# Allegro board SG2042_EVB_V2_0.brd (continued)
## Routing (per net, layer and track width the routed paths; a pad name or vN(x,y) marks a point on that pad's centre or on a via; arc(x,y) is an arc through that point) (continued)
171.11,181.71 ; 61.73,266.52 J4.22 62.39,267.19 ; J4.13 61.45,274.18 ; J4.13 60.79,273.51 ; J4.13 60.79,274.84 ; J4.13 60.13,274.18 ; 60.79,239.51 J4.53 60.13,240.18 ; v1(197.89,118.59) C6234.1 C6233.1 v1(198.75,118.59) ; D581.1 v1(233.65,164.19) ; 52.99,260.76 J3.28 ; J3.28 53.65,261.43 ; J3.28 52.33,261.43 ; J3.28 52.99,262.09 ; J2.33 167.31,257.84 ; J2.33 167.31,256.51 ; J2.33 167.97,257.18 ; Q2032.2 208.54,15.59 ; Q2032.2 v1(208.54,14.05) ; Q2032.2 209.1,14.9 ; Q2032.2 207.98,14.9 ; 175.9,106.81 C6192.2 ; C6192.2 v1(175.29,107.24) ; C6192.2 175.9,107.67 ; R680.1 v1(109.5,151) ; v1(155.09,38.19) J2030.27 v1(152.83,38.19) ; v1(18.59,282.07) C532.1 ; C532.1 C531.1 ; 118.19,296.42 C3446.1 ; C3446.1 117.75,296.85 ; C3446.1 118.62,296.85 ; 52.99,199.56 J3.94 53.65,200.23 ; C6236.2 v1(33.07,189.46) ; C6236.2 32.46,189.89 ; C6236.2 32.46,189.03 ; C5869.2 v1(165.1,35.79) ; C5869.2 164.49,35.36 ; C5869.2 164.49,36.22 ; R12874.2 v1(38.13,187.22) ; J1.31 176.71,259.54 ; J1.31 176.71,258.21 ; J1.31 177.37,258.88 ; J1.31 176.05,258.88 ; J3.125 51.39,174.54 ; J3.125 50.73,173.88 ; J3.125 51.39,173.21 ; J3.125 52.05,173.88 ; 55.19,278.61 J3.151 ; J3.151 55.85,279.28 ; J3.151 55.19,279.94 ; J3.151 54.53,279.28 ; R2099.2 v1(125.6,150.85) ; J1.154 182.11,277.39 ; J1.154 182.11,276.06 ; J1.154 181.45,276.73 ; J1.154 182.77,276.73 ; 217.47,125.09 U12.11 ; U12.11 v1(217.83,126.26) ; U12.11 217.83,124.09 ; 176.71,275.21 J1.11 ; J1.11 176.05,275.87 ; J1.11 176.71,276.54 ; J1.11 177.37,275.87 ; D574.1 18.97,196.78 ; D574.1 v1(18.14,196.78) ; D574.1 18.64,197.11 ; 183.95,152.5 C4.2 184.38,152.93 ; 165.56,108.92 C6229.2 ; C6229.2 v1(165.99,109.52) ; C6229.2 166.42,108.92 ; 177.81,199.72 J1.94 178.84,199.7 ; C3420.1 98.15,296.85 ; C3420.1 97.28,296.85 ; C3420.1 97.71,296.42 ; 64.03,280.42 J4.149 65.13,280.44 ; C20.2 184.38,283.34 ; C20.2 v1(183.95,282.73) ; C20.2 183.51,283.34 ; 151.26,47.37 151.69,47.37 ; 151.26,47.37 150.82,47.37 ; 151.26,47.37 v1(151.26,47.98) ; J4.120 63.05,178.13 ; J4.120 62.39,177.46 ; J4.120 61.73,178.13 ; J4.120 62.39,178.79 ; C6117.2 v1(187.66,175.03) ; C6117.2 188.26,175.46 ; C6117.2 188.26,174.6 ; v1(206.91,296.21) C3376.2 R2551.1 ; 171.11,266.71 J2.165 ; J2.165 171.11,268.04 ; J2.165 170.45,267.38 ; J2.165 171.77,267.38 ; 62.39,179.16 J4.118 ; J4.118 61.73,179.83 ; J4.118 62.39,180.49 ; J4.118 63.05,179.83 ; 55.19,265.01 J3.167 ; J3.167 55.85,265.68 ; J3.167 55.19,266.34 ; J3.167 54.53,265.68 ; v1(155.09,45.69) J2030.57 v1(152.83,45.69) ; 179.3,78.51 C6223.2 ; C6223.2 179.3,79.38 ; C6223.2 v1(178.69,78.94) ; v1(23.34,176.03) D610.1 24.25,176.03 ; 224.89,176.1 C3267.2 v1(224.46,175.49) ; v1(101.04,301.24) C3422.1 100.9,300.49 U3263.29 ; J1.53 176.71,240.84 ; J1.53 176.05,240.18 ; J1.53 176.71,239.51 ; J1.53 177.37,240.18 ; 172.05,237.63 J2.200 ; J2.200 172.71,238.29 ; J2.200 173.37,237.63 ; R2100.2 v1(227.86,254.74) ; R12882.1 v1(58.85,68.15) ; R12882.1 58.85,67.11 ; R12882.1 58.42,67.54 ; 56.79,191.06 J3.248 ; J3.248 56.13,191.73 ; J3.248 56.79,192.39 ; J3.248 57.45,191.73 ; 88.08,297.02 U3262.4 89.24,297.02 ; 60.79,275.21 J4.11 ; J4.11 60.79,276.54 ; J4.11 60.13,275.87 ; J4.11 61.45,275.87 ; C3323.2 R490.2 184.81,279.81 ; C3323.2 183.49,280.26 ; C3323.2 v1(183.95,279.65) ; 28.24,272.24 R58.1 v1(27.18,272.24) ; 60.13,277.58 J4.9 60.79,276.91 ; v1(109.27,111.99) 109.38,112.1 U17.13 ; C5837.2 v1(218.14,77.8) ; C5837.2 217.65,77.19 ; v1(216.46,198.75) U3272.1 ; R87.2 v1(27.91,248.49) ; J1.169 181.17,263.98 ; J1.169 179.85,263.98 ; J1.169 180.51,264.64 ; J1.169 180.51,263.31 ; 50.73,189.18 J3.107 ; J3.107 52.05,189.18 ; J3.107 51.39,188.51 ; J3.107 51.39,189.84 ; C3295.2 51.79,75.62 ; C3295.2 v1(51.18,75.18) ; C3295.2 51.79,74.75 ; U2.H10 v1(217.2,277.39) ; U3272.5 v1(216.46,200.75) 217.28,201.57 R12915.1 ; D540.1 18.97,214.66 ; D540.1 18.64,214.99 ; D540.1 v1(18.14,214.66) ; 50.73,192.58 J3.103 ; J3.103 51.39,191.91 ; J3.103 52.05,192.58 ; J3.103 51.39,193.24 ; 172.05,254.63 J2.180 ; J2.180 173.37,254.63 ; J2.180 172.71,253.96 ; J2.180 172.71,255.29 ; J1.123 177.37,175.58 ; J1.123 176.71,174.91 ; J1.123 176.71,176.24 ; J1.123 176.05,175.58 ; J3.120 53.65,178.13 ; J3.120 52.99,177.46 ; J3.120 52.99,178.79 ; J3.120 52.33,178.13 ; J1.96 178.97,198.53 ; J1.96 178.31,199.19 ; J1.96 177.65,198.53 ; J1.96 178.31,197.86 ; 23.29,205.26 R12801.2 ; R12801.2 22.86,205.69 ; R12801.2 v1(23.29,206.3) ; 174.7,282.9 C40.2 174.27,283.34 ; C5763.2 51.79,55.3 ; C5763.2 51.79,54.43 ; C5763.2 v1(51.18,54.86) ; 176.71,251.41 J1.39 ; J1.39 176.71,252.74 ; J1.39 177.37,252.08 ; J1.39 176.05,252.08 ; Q2024.2 v1(129.6,14.22) ; Q2024.2 130.16,13.35 ; Q2024.2 129.6,12.67 ; Q2024.2 129.04,13.35 ; 178.31,265.86 J1.22 ; J1.22 177.65,266.52 ; J1.22 178.31,267.19 ; J1.22 178.97,266.52 ; 60.13,236.77 J4.57 ; J4.57 61.45,236.77 ; J4.57 60.79,237.44 ; v1(53.49,73.71) C3302.2 C3303.2 v1(53.49,75.79) ; 55.19,280.31 J3.149 ; J3.149 55.85,280.98 ; J3.149 54.53,280.98 ; 61.73,242.73 J4.50 ; J4.50 63.05,242.73 ; J4.50 62.39,242.06 ; R12669.1 v1(177.7,66.37) ; v1(53.49,116.94) C3362.2 C1738.2 ; C3284.1 225.17,106.98 ; C3284.1 v1(224.74,106.38) ; C3284.1 224.31,106.98 ; C3282.1 68.91,149.35 ; C3282.1 68.05,149.35 ; C3282.1 v1(68.48,148.74) ; R12490.1 224.46,147.52 ; R12490.1 v1(225.07,147.09) ; R12490.1 224.03,147.09 ; C6011.1 228.8,94.72 ; C6011.1 227.94,94.72 ; v1(227.28,228.93) C3231.1 227.2,229.62 U2004.2 ; C6002.1 v1(112.6,71.25) ; R12908.1 v1(18.82,153.52) ; U3252.3 v1(212.03,73.69) ; 61.37,87.05 R288.2 ; R288.2 61.37,87.95 v1(60.82,88.49) ; R288.2 61.8,87.48 ; 180.51,176.61 J1.265 ; J1.265 180.51,177.94 ; J1.265 179.85,177.27 ; J1.265 181.17,177.27 ; 65.53,252.93 J4.182 ; J4.182 66.19,252.26 ; J4.182 66.19,253.59 ; 168.91,267.56 J2.20 169.57,268.23 ; 56.79,253.96 J3.180 ; J3.180 57.45,254.63 ; J3.180 56.79,255.29 ; J3.180 56.13,254.63 ; R119.1 v1(40.41,277.8) ; 55.5,47.22 v1(55.5,47.83) ; 60.13,173.88 J4.125 ; J4.125 60.79,173.21 ; J4.125 60.79,174.54 ; J4.125 61.45,173.88 ; C3419.1 v1(105.26,301.07) ; C3419.1 105.71,300.46 ; C3419.1 v1(104.65,300.46) ; 40.06,226.9 C3151.2 40.92,226.9 ; R12843.2 197.49,175.77 R12844.1 v1(198.12,175.74) ; R12594.1 v1(29.41,145.41) ; 171.11,184.74 J2.257 171.77,184.08 ; 48.51,54.43 C5754.2 ; C5754.2 v1(49.12,54.86) ; C5754.2 48.51,55.3 ; R121.1 v1(43.61,277.8) ; 123.79,296.52 U3265.20 ; U3265.20 124.95,296.52 ; U3265.20 124.37,296.83 ; v1(19.46,282.07) C531.1 ; C531.1 19.91,281.46 ; U31.3 v1(225.27,256.4) ; R12879.1 v1(61.37,108.79) ; R12879.1 61.37,107.75 ; R12879.1 61.8,108.18 ; 168.91,243.39 J2.50 169.57,242.73 ; J3.265 55.85,177.27 ; J3.265 55.19,177.94 ; J3.265 55.19,176.61 ; J3.265 54.53,177.27 ; 164.49,110.67 R12994.1 ; R12994.1 v1(164.49,111.71) ; R12994.1 164.06,111.1 ; 64.59,181.71 J4.259 63.93,182.38 ; 178.82,75.03 C5993.2 178.38,74.6 ; 170.45,243.58 J2.193 171.11,242.91 ; C6148.2 v1(39.37,175.03) ; C6148.2 39.98,174.6 ; C6148.2 39.98,175.46 ; C3372.1 v1(204.88,297.89) ; U3266.17 135.18,295.02 ; 63.05,184.93 J4.112 61.73,184.93 ; J1.248 182.77,191.73 ; J1.248 181.45,191.73 ; J1.248 182.11,191.06 ; J1.248 182.11,192.39 ; C6042.2 20.19,200.91 ; C6042.2 19.33,200.91 ; C6042.2 v1(19.76,200.3) ; R677.1 111.93,147.83 v1(112.75,148.65) U60.5 ; v1(228.5,68.65) X5.2 ; 23.29,200.96 R12800.2 ; R12800.2 v1(23.29,202.01) ; R12800.2 22.86,201.4 ; 105.91,144.05 U3268.4 107.07,144.05 ; 209.6,250.06 C3146.1 v1(210.21,250.49) ; D586.1 v1(233.65,155.96) ; 215.54,103.15 R12982.1 ; R12982.1 215.98,103.58 ; R12982.1 v1(216.59,103.15) ; C1671.2 v1(10.52,158.65) ; J4.98 63.05,196.83 ; J4.98 62.39,196.16 ; J4.98 61.73,196.83 ; 108.55,297.02 U3264.4 109.71,297.02 ; 168.38,182.69 J2.114 169.46,182.68 ; R12857.2 v1(187.63,187.22) ; R126.1 v1(40.41,281.25) ; R297.2 v1(117.22,108.74) ; v1(152.83,44.19) J2030.51 v1(155.09,44.19) ; J2.160 172.71,272.29 ; J2.160 173.37,271.63 ; J2.160 172.71,270.96 ; J2.160 172.05,271.63 ; R12667.1 v1(178.56,66.37) ; C6026.2 v1(190.27,14.94) ; C6026.2 189.81,14.33 ; U13.B1 116.13,173.94 R258.1 v1(115.24,174.55) ; U13.B1 116.29,174.09 ; U13.B1 115.98,173.78 ; v1(100.74,140.61) C3410.1 v1(100.13,140) ; U28.3 v1(127.26,153.44) ; 65.53,258.03 J4.176 ; J4.176 66.19,258.69 ; J4.176 66.19,257.36 ; C2001.2 v1(23.9,62.94) ; C1538.2 v1(42.55,223.85) ; 54.53,182.38 J3.259 ; J3.259 55.19,181.71 ; J3.259 55.19,183.04 ; J3.259 55.85,182.38 ; 56.79,252.26 J3.182 ; J3.182 56.13,252.93 ; J3.182 56.79,253.59 ; J3.182 57.45,252.93 ; C5742.2 53.34,94.64 ; C5742.2 v1(53.8,94.03) ; U3260.4 v1(214.4,149.78) ; U3260.4 215.64,149.29 ; U3260.4 215.64,150.28 ; U3260.4 216.71,149.78 ; C6062.1 v1(215.44,158.72) ; J1.195 181.17,241.88 ; J1.195 179.85,241.88 ; J1.195 180.51,241.21 ; J1.195 180.51,242.54 ; C1738.2 53.04,115.47 ; C1738.2 v1(53.49,114.86) ; C5747.2 48.51,108.61 ; C5747.2 48.51,107.75 ; C5747.2 v1(49.12,108.18) ; 51.39,251.41 J3.39 ; J3.39 52.05,252.08 ; J3.39 51.39,252.74 ; J3.39 50.73,252.08 ; J2.112 169.63,184.93 ; C3326.2 50.01,278.18 ; C3326.2 v1(49.56,277.57) ; C3326.2 R496.2 48.69,277.72 ; C602.1 v1(118.01,170.18) ; U2009.74 132.41,41.14 v1(132.44,41.11) ; 189.74,183.46 C6110.2 190.2,183.01 ; v1(174.09,235.92) C27.2 174.7,236.4 ; 169.57,196.83 J2.98 168.91,197.49 ; C3405.1 v1(206.3,300.23) ; C3405.1 206.78,299.62 ; R76.1 R78.1 ; R76.1 37.44,267.77 ; R78.1 v1(37.59,266.9) ; 49.38,220.37 C56.2 ; C56.2 48.79,220.93 ; C56.2 v1(50.14,220.93) ; U3262.17 94.24,295.02 ; C573.2 v1(27.51,273.1) ; v1(53.8,55.47) C5745.2 ; C5745.2 53.34,54.86 ; U3263.17 104.48,295.02 ; R12910.1 v1(213.82,164.21) ; R125.1 v1(43.61,279.53) ; R12966.2 v1(200.13,101.24) ; C6168.2 v1(197.87,89.69) ; 231.5,264.6 D10.2 232.15,264.6 ; U3278.3 v1(168.04,108.48) ; J1.50 178.97,242.73 ; J1.50 178.31,242.06 ; J1.50 177.65,242.73 ; J1.50 178.31,243.39 ; v1(155.09,35.19) J2030.15 v1(152.83,35.19) ; 51.79,34.11 C5807.2 ; C5807.2 51.79,34.98 ; C5807.2 v1(51.18,34.54) ; R12906.1 229.41,67.29 ; R12906.1 229.41,66.42 ; R12906.1 v1(230.02,66.85) ; C548.2 v1(27.97,262.28) ; R12987.2 v1(177.14,82.65) ; 22.43,279.78 R55.1 ; R55.1 22.86,280.21 ; R55.1 v1(23.47,279.78) ; 171.11,280.31 J2.149 171.77,280.98 ; U3268.29 104.49,140.58 C3413.1 v1(104.34,139.83) ; J4.246 65.43,193.43 ; U808.3 v1(212.48,215.11) ; R2527.2 v1(99.44,114.43) ; 18.64,209.68 D543.1 v1(18.14,210.03) ; 62.39,267.56 J4.20 ; J4.20 61.73,268.23 ; J4.20 63.05,268.23 ; 18.64,215.67 D541.1 v1(18.14,216.02) ; 209.4,65.18 R12672.2 ; R12672.2 209.4,66.04 ; R12672.2 v1(208.79,65.61) ; C5750.2 52.65,108.61 ; C5750.2 v1(52.04,108.18) ; C5750.2 52.65,107.75 ; 170.45,177.27 J2.265 ; J2.265 171.11,177.94 ; J2.265 171.77,177.27 ; J2.265 171.11,176.61 ; C6191.2 v1(201.55,96.42) ; 18.64,197.76 D575.1 v1(18.14,198.11) ; D585.1 v1(233.65,154.32) ; 58.78,198.98 R14.2 ; R14.2 v1(59.39,199.42) ; R14.2 58.34,199.42 ; 182.11,239.99 J1.198 181.45,239.33 ; R12676.1 v1(208.48,76.91) ; R12676.1 208.48,75.87 ; R12676.1 208.05,76.3 ; C5789.2 53.34,34.54 ; C5789.2 v1(53.8,35.15) ; R12875.2 49.23,182.17 ; R12875.2 49.66,181.74 ; C3234.1 v1(222.5,234.26) ; R324.2 v1(228.9,233.02) ; R82.1 v1(37.59,265.18) ; 231.5,275.88 D9.2 232.15,275.88 ; R12887.1 v1(151.26,44.25) ; R12887.1 150.82,44.86 ; R12887.1 151.69,44.86 ; R2551.1 206.73,295.35 ; R2551.1 206.3,294.92 ; C2000.2 v1(23.9,66.7) ; 118.79,295.52 U3265.7 119.95,295.52 ; J3.158 56.79,273.99 ; J3.158 56.13,273.33 ; J3.158 57.45,273.33 ; J3.158 56.79,272.66 ; 62.39,248.86 J4.42 ; J4.42 63.05,249.53 ; J4.42 61.73,249.53 ; J4.42 62.39,250.19 ; C1168.2 123.55,158.47 ; C1168.2 v1(123.11,157.86) ; C1168.2 122.68,158.47 ; J2.184 172.71,251.89 ; J2.184 172.71,250.56 ; J2.184 172.05,251.23 ; J2.184 173.37,251.23 ; 62.39,182.56 J4.114 61.73,183.23 ; R12665.1 180.87,68.8 v1(180.05,69.62) U3251.5 ; X6.2 v1(34.77,146.06) ; U2004.1 v1(226.37,228.42) ; C3291.1 v1(68.25,156.39) ; 232.77,167.98 D590.1 v1(233.65,167.98) ; 179.85,165.38 J1.279 180.51,166.04 ; 176.71,168.11 J1.131 ; J1.131 177.37,168.78 ; J1.131 176.05,168.78 ; J1.131 176.71,169.44 ; D584.1 v1(233.65,156.56) ; v1(230.85,71.35) X5.4 v1(231.65,70.5) ; R12993.2 v1(169.7,111.07) ; C6132.1 v1(188.21,193.78) ; U2009.49 129.22,26.95 v1(129.2,26.92) ; 58.34,152.93 C64.2 58.78,152.5 ; v1(201.14,105.64) R12957.1 200.53,105.21 ; R1146.1 216.46,212.5 ; R1146.1 v1(216.03,211.89) ; R1146.1 216.03,212.93 ; C6142.1 v1(38.71,193.78) ; 63.93,279.28 J4.151 64.59,279.94 ; 21.41,200.38 C6043.2 ; C6043.2 22.58,200.38 ; C6043.2 22,200.94 ; C5894.1 v1(21.44,148.26) ; J4.24 63.05,264.83 ; J4.24 62.39,264.16 ; J4.24 61.73,264.83 ; J2.151 171.77,279.28 ; J2.151 170.45,279.28 ; J2.151 171.11,279.94 ; X7.2 v1(228.78,156.52) ; R12564.2 228.27,74.6 ; R12564.2 227.84,74.17 ; R12564.2 v1(227.84,75.21) ; R12827.1 v1(223.42,155.88) ; C5992.2 v1(179.17,68.07) ; R12909.1 v1(18.82,156.03) ; R12909.1 19.86,156.03 ; R12909.1 19.43,156.46 ; C6014.2 v1(226.01,98.5) ; 18.64,218.01 D542.1 v1(18.14,217.66) ; R12870.2 v1(45.44,185.93) ; X6.4 v1(32.12,142.8) ; v1(98.83,111.86) R286.2 R2528.2 ; R1265.1 v1(204.88,263.7) ; 189.43,226.9 C3152.2 190.3,226.9 ; R123.1 v1(43.61,282.98) ; R12722.2 v1(132.59,74.75) ; v1(152.83,36.69) J2030.21 v1(155.09,36.69) ; J1.35 177.37,255.47 ; J1.35 176.71,256.14 ; J1.35 176.71,254.81 ; J1.35 176.05,255.47 ; R127.1 v1(40.41,279.53) ; C5863.2 v1(236.19,98.5) ; v1(118.25,44.35) 118.22,44.32 U2009.99 ; R12524.2 v1(132.59,71.91) ; 58.42,128.12 R291.2 ; R291.2 58.85,128.59 v1(59.4,129.13) ; R291.2 58.85,127.69 ; R2101.2 v1(227.86,261.37) ; R2098.2 v1(119.41,156.31) ; 217.32,234.47 C1186.2 ; C1186.2 218.19,234.47 ; C1186.2 v1(217.75,233.86) ; C5921.1 v1(30.89,146.84) ; R3.2 v1(185.34,162.46) ; U2009.19 115.26,32.64 v1(115.01,32.38) 115.26,32.14 U2009.20 ; 135.18,296.52 U3266.20 134.61,296.83 ; 144.84,296.83 U3267.20 145.42,296.52 ; C5998.2 v1(209.98,74.73) ; C5998.2 209.55,74.12 ; C5998.2 210.41,74.12 ; C604.1 v1(120.04,170.18) ; 211.48,199.09 C6167.2 211.05,199.52 ; C1744.2 51.79,116.76 ; C1744.2 v1(51.18,116.33) ; C1744.2 51.79,115.9 ; R12911.1 v1(213.82,166.73) ; R12911.1 213.21,167.16 ; R12911.1 212.78,166.73 ; R89.2 v1(4.09,268.5) ; 224.58,79.2 U3238.4 223.44,78.64 ; R449.2 C1421.1 v1(190.22,223.85) ; C3232.1 v1(223.52,230.45) ; R12523.2 v1(130.51,71.91) ; R4.2 v1(185.34,163.32) ; v1(12.67,161.49) U805.3 15.5,161.49 v1(16,160.99) ; D582.1 v1(233.65,162.55) ; 41.93,139.45 Q2036.2 42.48,140.14 ; v1(178.05,69.62) U3251.1 ; U3262.20 93.66,296.83 ; C6094.2 v1(224.89,153.54) ; R2585.2 v1(121.62,86.11) ; 231.5,273.79 D11.2 232.15,273.79 ; X7.4 v1(226.12,153.26) ; U3234.3 v1(221.84,143.54) ; U3267.17 145.42,295.02 ; R682.1 v1(109.5,150.14) ; D588.1 v1(233.65,161.96) ; C3281.1 v1(43.94,254.99) ; R12951.2 v1(200.13,96.85) ; D611.1 v1(23.34,174.39) ; R12876.2 v1(48.13,180.06) ; C1422.2 v1(191.92,223.85) ; R18.2 v1(148.82,287.55) ; C6095.1 v1(224.89,157.3) ; D587.1 v1(233.65,160.32) ; R12918.1 v1(218.26,204.72) ; R12526.2 v1(161.14,85.93) ; U2027.3 v1(124.21,84.45) ; R133.1 v1(230.1,278.97) ; U17.20 v1(105.88,113.46)
  TOP w0.305: U1.F15 U1.E15 U1.D15
  TOP w0.381: U1.P3 v1(90.75,236.05) ; v1(48.6,38.65) J2036.B4 v1(48.6,35.58) ; U1.J46 v1(134.75,241.05) ; v1(110.4,119.98) 110.6,119.77 J1104.B64 110.6,117.47 v1(110.4,117.26) ; U1.A49 v1(137.25,248.98) ; U3273.R15 v1(185.09,103.63) ; U1.U11 v1(98.75,233.05) ; U1.BH3 v1(90.75,201.05) ; U1.AK48 v1(136.75,219.05) ; v1(119.48,261.54) X4.2 v1(120.46,260.48) ; U1.AP7 v1(94.75,215.05) ; v1(48.6,46.3) J2036.A4 v1(48.6,43.23) ; v1(48.6,66.62) J2034.A4 v1(48.6,63.55) ; U3273.M15 v1(185.09,101.23) U3273.N15 ; U1.AK12 v1(99.75,219.05) ; U1.M50 v1(138.75,238.05) ; v1(87.4,124.46) 87.6,124.67 J1104.A41 87.6,126.74 v1(87.17,127.18) ; U1.BE13 v1(100.75,204.05) ; U1.C24 v1(111.75,247.05) ; C8.2 v1(183.34,233.38) ; U1.V3 v1(91.75,231.05) U1.V4 ; v1(48.6,99.61) J2033.B4 v1(48.6,96.54) ; v1(91.17,86.54) 91.6,86.1 J2046.A45 91.6,84.03 v1(91.4,83.82) ; U1.R15 v1(102.75,235.05) ; U1.AA46 v1(134.75,229.05) ; U3235.N9 v1(147.66,85.81) ; U1.BK11 v1(98.75,199.05) ; U1.AL54 v1(142.75,218.05) ; U1.AY55 v1(143.75,209.05) ; U1.V50 v1(138.75,232.05) ; U3273.J14 v1(185.89,98.05) ; U1.J14 v1(101.75,241.05) ; U1.AN50 v1(138.75,216.05) ; U1.V47 v1(135.75,232.05) ; U1.AM12 v1(99.75,217.05) ; U3235.L9 v1(149.26,85.81) ; U1.R52 v1(140.75,235.05) ; C13.2 v1(183.34,203.43) ; U1.J13 v1(100.75,241.05) ; U3235.Y25 v1(142.06,72.21) U3235.W25 ; C52.2 v1(50.16,232.56) ; U1.AJ3 v1(90.75,220.05) ; U1.T45 v1(133.75,234.05) ; v1(106.4,117.26) 106.6,117.47 J1104.B60 106.6,119.77 v1(106.4,119.98) ; v1(61.6,104.19) J2033.A15 61.6,106.82 v1(62.03,107.26) ; v1(84.8,83.82) 84.6,84.03 J2046.A38 84.6,86.1 v1(85.03,86.54) ; v1(93.4,117.26) 93.6,117.47 J1104.B47 93.6,119.77 v1(93.4,119.98) ; U1.BH7 v1(94.75,201.05) ; U1.K47 v1(135.75,240.05) ; v1(116.4,124.46) 116.6,124.67 J1104.A70 116.6,126.74 v1(116.17,127.18) ; U1.BN46 v1(134.75,196.05) ; U1.BN1 v1(88.75,196.05) ; U1.AJ9 v1(96.75,220.05) ; v1(67.4,99.61) 67.6,99.4 J2033.B21 67.6,96.75 v1(67.4,96.54) ; U1.BB9 v1(96.75,207.05) ; U1.M56 v1(144.75,238.05) ; v1(70.6,66.62) J2034.A24 v1(70.6,63.55) ; v1(48.6,107.26) J2033.A4 v1(48.6,104.19) ; v1(82.8,119.98) 82.6,119.77 J1104.B36 82.6,117.47 v1(82.8,117.26) ; U1.AJ48 v1(136.75,220.05) ; v1(27.23,276.08) Y1.2 28.29,277.04 ; U3273.AB12 v1(188.28,109.23) ; U1.BN54 v1(142.75,196.05) ; U3273.C23 v1(178.69,93.25) U3273.B23 ; v1(138.75,229.05) U1.AA50 v1(138.75,228.05) ; U3235.L10 v1(149.26,85.01) ; U1.AY45 v1(133.75,209.05) ; U1.B56 v1(144.68,247.55) ; U1.BC42 v1(130.75,206.05) ; v1(64.6,96.54) J2033.B18 v1(64.6,99.61) ; U1.B46 v1(134.75,247.05) ; v1(124.4,124.46) 124.6,124.67 J1104.A78 124.6,126.74 v1(124.17,127.18) ; U1.BG7 v1(94.75,202.05) ; U3235.K11 v1(150.06,84.21) ; 169.44,283 J2.2 168.4,283.01 ; U3273.AB8 v1(191.48,109.23) ; U1.G28 v1(115.75,243.05) ; U1.BT50 v1(138.75,193.05) ; U3235.AE16 v1(137.26,80.21) U3235.AE15 ; C6108.1 v1(195.5,204.01) ; U3235.AA2 v1(141.26,91.41) U3235.Y2 ; U1.K52 v1(140.75,240.05) ; U3273.P12 v1(187.49,102.83) ; v1(98.75,242.05) U1.H10 v1(97.75,242.05) ; U3235.C13 v1(154.86,81.81) ; v1(107.8,117.26) 107.6,117.47 J1104.B61 107.6,119.77 v1(107.8,119.98) ; U3235.N15 v1(147.66,80.21) ; U1.AG46 v1(134.75,223.05) ; U1.BL1 v1(88.75,198.05) ; U1.AN48 v1(136.75,216.05) ; v1(48.6,55.9) J2034.B4 v1(48.6,58.97) ; U1.J7 v1(94.75,241.05) ; U1.N13 v1(100.75,237.05) ; U3235.T16 v1(144.46,79.41) ; v1(92.75,229.05) U1.Y4 v1(91.75,229.05) ; U1.AF14 v1(101.75,224.05) ; v1(131.75,219.05) U1.AK43 U1.AJ42 ; U1.AV43 v1(131.75,211.05) ; U1.K5 v1(92.75,240.05) U1.J4 v1(91.75,241.05) U1.H3 v1(90.75,242.05) U1.G2 ; U1.AN56 v1(144.75,216.05) ; U3235.M14 v1(148.46,81.01) ; v1(85.4,76.62) 85.6,76.83 J2046.B39 85.6,79.13 v1(85.4,79.34) ; U1.AY8 v1(95.75,209.05) ; C1426.2 v1(194.21,220.68) ; U3273.N12 v1(187.49,102.03) ; U3235.H23 v1(150.86,74.61) ; v1(222.3,78.84) 222.33,78.87 ; U1.BD14 v1(101.75,205.05) ; U1.AF3 v1(90.75,223.05) ; U1.AH48 v1(136.75,222.05) ; U1.BA11 v1(98.75,208.05) ; U1.J44 v1(132.75,241.05) ; v1(62.6,35.58) J2036.B16 v1(62.6,38.65) ; U1.K43 v1(131.75,240.05) ; v1(51.6,99.61) J2033.B7 v1(51.6,96.54) ; U1.BJ51 v1(139.75,200.05) ; C6041.2 v1(27.99,202.21) ; U1.AH54 v1(142.75,221.05) ; U3235.AD21 v1(138.86,76.21) ; U3235.AF6 v1(137.26,87.41) ; U1.E20 v1(107.75,245.05) ; U1.BB54 v1(142.75,207.05) ; v1(73.17,86.54) 73.6,86.1 J2046.A27 73.6,84.03 v1(73.4,83.82) ; v1(90.8,117.26) 90.6,117.47 J1104.B44 90.6,119.77 v1(90.8,119.98) ; U1.E41 v1(129.75,245.05) U1.E42 ; v1(68.8,76.62) 68.6,76.83 J2046.B22 68.6,79.13 v1(68.8,79.34) ; U3235.P17 v1(146.06,78.61) ; U1.BH10 v1(97.75,201.05) ; J2.105 168.09,190.88 ; v1(93.03,127.18) 92.6,126.74 J1104.A46 92.6,124.67 v1(92.8,124.46) ; v1(58.6,107.26) J2033.A12 v1(58.6,104.19) ; U3273.AB15 v1(185.09,109.23) ; U1.AB51 v1(139.75,227.05) ; U1.AE4 v1(91.75,224.05) ; U1.AC53 v1(141.75,226.05) ; U1.AM1 v1(88.75,217.05) ; v1(71.03,86.54) 70.6,86.1 J2046.A24 70.6,84.03 v1(70.8,83.82) ; v1(201.8,88.91) X8.4 v1(200.85,89.97) ; U1.AB6 v1(93.75,227.05) ; v1(125.08,260.48) X3.2 v1(124.1,261.54) ; U1.AU5 v1(92.75,212.05) ; U1.G31 v1(119.75,243.05) ; U3235.C23 v1(155.66,73.81) ; U1.AH43 v1(131.75,222.05) ; v1(89.4,117.26) 89.6,117.47 J1104.B43 89.6,119.77 v1(89.4,119.98) ; U3235.P9 v1(146.06,85.81) ; U3235.AB8 v1(139.67,86.61) ; U1.AU42 v1(130.75,212.05) ; U1.AF12 v1(99.75,224.05) ; v1(69.6,104.19) J2033.A23 69.6,106.82 v1(69.17,107.26) ; v1(67.4,76.62) 67.6,76.83 J2046.B21 67.6,79.13 v1(67.4,79.34) ; v1(62.03,46.3) 61.6,45.86 J2036.A15 ; U1.AY14 v1(101.75,209.05) ; v1(73.17,127.18) 73.6,126.74 J1104.A27 73.6,124.67 v1(73.4,124.46) ; Q2035.2 v1(47.23,138.05) ; U1.AM56 v1(144.75,217.05) ; v1(69.4,124.46) 69.6,124.67 J1104.A23 69.6,126.74 v1(69.17,127.18) ; v1(90.8,79.34) 90.6,79.13 J2046.B44 90.6,76.83 v1(90.8,76.62) ; U1.BE48 v1(136.75,204.05) ; U3235.M4 v1(147.66,89.01) ; v1(80.6,83.82) J2046.A34 80.6,86.1 v1(81.03,86.54) ; U3235.M13 v1(148.46,82.61) ; v1(59.6,96.54) J2033.B13 v1(59.6,99.61) ; U3235.AB18 v1(140.46,77.81) ; v1(125.8,124.46) 125.6,124.67 J1104.A79 125.6,126.74 v1(126.03,127.18) ; U1.BJ6 v1(93.75,200.05) ; v1(71.4,76.62) 71.6,76.83 J2046.B25 71.6,79.13 v1(71.4,79.34) ; U1.K12 v1(99.75,240.05) ; U1.AP8 v1(95.75,215.05) ; U3273.R5 v1(193.88,103.63) ; U1.BT56 v1(144.75,193.05) ; U1.AM49 v1(137.75,217.05) ; C76.2 v1(58.01,220.93) ; U1.AC11 v1(98.75,227.05) ; v1(119.8,119.98) 119.6,119.77 J1104.B73 119.6,117.47 v1(119.8,117.26) ; U1.AF41 U1.AE42 v1(129.75,225.05) U1.AD41 ; U3273.P8 v1(191.48,102.83) ; U3273.L9 v1(190.68,99.64) ; U1.BT55 v1(143.75,193.05) ; U3235.T11 v1(144.46,84.21) ; U1.V10 v1(97.75,232.05) ; v1(77.6,63.55) J2034.A31 v1(77.6,66.62) ; U3235.AC10 v1(138.87,85.01) ; U3235.P10 v1(146.06,85.01) ; U1.AP45 v1(133.75,215.05) ; U1.G55 v1(142.75,242.05) U1.H54 v1(141.75,241.05) U1.J53 ; U3235.AF22 v1(136.46,75.41) U3235.AF21 ; v1(75.6,119.98) J1104.B29 v1(75.6,117.26) ; U1.T10 v1(97.75,234.05) ; U3235.P16 v1(146.06,79.41) ; v1(48.6,127.18) J1104.A4 v1(48.6,124.46) ; v1(96.75,243.05) U1.G9 v1(97.75,243.05) ; J4.147 65.35,282.68 ; U1.P14 v1(101.75,236.05) ; U3273.A12 v1(188.28,91.64) ; U1.BM11 v1(98.75,197.05) ; U3235.B16 v1(156.46,80.21) U3235.B15 ; C1533.2 v1(44.07,230.89) ; U3273.P22 v1(179.49,102.83) ; U1.J20 v1(107.75,241.05) ; U1.BK48 v1(136.75,199.05) ; v1(98.4,117.26) 98.6,117.47 J1104.B52 98.6,119.77 v1(98.4,119.98) ; U3235.N4 v1(146.86,89.01) ; U3273.L14 v1(185.89,99.64) ; C6250.2 v1(31.01,179.81) ; U1.AC50 v1(138.75,226.05) ; C1.2 v1(183.34,158.8) ; v1(95.6,83.82) J2046.A49 95.6,86.1 v1(95.17,86.54) ; U1.E23 v1(110.75,245.05) ; U1.AK2 v1(89.75,219.05) ; U1.E38 v1(126.75,245.05) ; C42.2 C43.2 ; C43.2 v1(49.99,155.83) ; C43.2 v1(48.77,155.83) ; U3273.M13 v1(186.69,101.23) ; C3149.2 v1(39.45,225.65) ; U1.AF2 v1(89.75,223.05) ; U3273.T16 v1(184.29,104.43) ; U3235.D25 v1(154.86,72.21) ; U1.G50 v1(138.75,243.05) ; U1.BA13 v1(100.75,208.05) ; U3235.J26 v1(150.06,71.41) U3235.K26 ; U1.AK55 v1(143.75,219.05) ; U1.BT2 v1(89.75,193.05) ; v1(61.6,63.55) J2034.A15 61.6,66.18 v1(62.03,66.62) ; v1(126.4,117.26) 126.6,117.47 J1104.B80 126.6,119.77 v1(126.4,119.98) ; U3273.J15 v1(185.09,98.05) ; U1.BB1 v1(88.75,207.05) ; J3.2 52.2,283.18 ; U1.AJ11 v1(98.75,220.05) ; U1.AT54 v1(142.75,213.05) ; v1(64.17,66.62) 64.6,66.18 J2034.A18 v1(64.6,63.55) ; v1(72.8,117.26) 72.6,117.47 J1104.B26 72.6,119.77 v1(72.8,119.98) ; U3235.AD7 v1(138.06,87.41) ; U1.A13 v1(101.25,248.98) ; U1.BA15 v1(102.75,208.05) ; C69.2 v1(58.17,212.12) ; U1.AY43 v1(131.75,209.05) ; v1(137.75,230.05) U1.Y49 v1(137.75,229.05) ; v1(71.4,99.61) 71.6,99.4 J2033.B25 71.6,96.75 v1(71.4,96.54) ; v1(74.6,104.19) J2033.A28 74.6,106.82 v1(75.03,107.26) ; U1.AL11 v1(98.75,218.05) ; U3235.E4 v1(153.26,89.01) ; U1.AM6 v1(93.75,217.05) ; U1.AU44 v1(132.75,212.05) ; U1.AB2 v1(90.75,228.05) ; U1.BF10 v1(97.75,203.05) ; U1.F52 v1(140.75,244.05) U1.F53 ; U3235.AD1 v1(138.06,92.21) ; U1.BT7 v1(94.75,193.05) ; U1.AH5 v1(92.75,221.05) ; U3281.2 27.53,184.23 v1(27.43,184.12) ; U1.BP8 v1(95.75,195.05) ; R167.1 v1(188.54,277.8) ; U1.L13 v1(100.75,239.05) ; C67.2 v1(58.78,202.82) ; U3235.R9 v1(145.26,85.81) ; v1(77.17,127.18) 77.6,126.74 J1104.A31 v1(77.6,124.46) ; U1.A14 v1(102.25,248.98) ; v1(94.75,229.05) U1.AA7 v1(94.75,228.05) ; U1.BE11 v1(98.75,204.05) ; U1.AL3 v1(90.75,218.05) ; C6045.2 v1(27.99,206.5) ; v1(122.4,117.26) 122.6,117.47 J1104.B76 122.6,119.77 v1(122.4,119.98) ; U3235.E18 v1(153.26,78.61) ; U1.P49 v1(137.75,236.05) ; v1(120.4,124.46) 120.6,124.67 J1104.A74 120.6,126.74 v1(120.17,127.18) ; U3235.L25 v1(148.46,72.21) U3235.M25 ; U1.AJ46 v1(134.75,220.05) ; 14.98,282.8 J8.6 v1(12.62,282.8) ; U1.AW44 v1(132.75,210.05) ; U1.BP2 v1(89.75,195.05) ; U1.C15 v1(102.75,247.05) U1.B15 ; U1.AJ8 v1(95.75,220.05) ; U1.AT45 v1(133.75,213.05) ; U1.AC54 v1(142.75,226.05) ; U3273.V14 v1(185.89,106.03) ; U1.P10 v1(97.75,236.05) ; C23.2 v1(174.09,155.83) ; C23.2 v1(175.31,155.83) ; C23.2 C22.2 ; v1(108.4,124.46) 108.6,124.67 J1104.A62 108.6,126.74 v1(108.17,127.18) ; U3235.AF4 v1(136.46,89.81) ; U1.AF1 v1(88.75,223.05) ; U1.BB3 v1(90.75,207.05) ; U1.AP12 v1(99.75,215.05) ; U1.BA54 v1(142.75,208.05) ; U1.BR46 v1(134.75,194.05) ; U1.BK53 v1(141.75,199.05) ; U1.BK50 v1(138.75,199.05) ; U3273.AC17 v1(183.49,110.03) ; U1.L46 v1(134.75,239.05) ; U1.BF49 v1(137.75,203.05) ; v1(64.17,86.54) 64.6,86.1 J2046.A18 v1(64.6,83.82) ; U3235.AD11 v1(138.07,84.21) ; U1.AM4 v1(91.75,217.05) ; U1.AU48 v1(136.75,212.05) ; v1(68.8,117.26) 68.6,117.47 J1104.B22 68.6,119.77 v1(68.8,119.98) ; U3235.AD18 v1(138.86,78.61) ; U1.A9 v1(97.25,248.98) ; U3273.L13 v1(186.69,99.64) ; U1.Y56 v1(144.68,229.55) ; U1.D9 v1(97.75,245.05) ; U1.BL46 v1(134.75,198.05) ; U1.AE6 v1(93.75,224.05) ; v1(101.75,219.05) U1.AK14 U1.AJ15 ; R2568.1 v1(193.65,295.02) ; U1.C45 v1(132.75,246.05) U1.D45 ; U3235.R14 v1(145.26,81.01) ; U1.AP53 v1(141.75,215.05) ; U1.R11 v1(98.75,235.05) ; U1.Y47 v1(135.75,230.05) ; C1420.2 v1(193.45,230.89) ; U1.BP49 v1(137.75,195.05) ; U1.R1 v1(88.75,235.05) ; v1(59.6,58.97) J2034.B13 v1(59.6,55.9) ; v1(97.75,246.05) U1.C10 v1(97.75,247.05) ; v1(58.6,66.62) J2034.A12 v1(58.6,63.55) ; v1(118.4,117.26) 118.6,117.47 J1104.B72 118.6,119.77 v1(118.4,119.98) ; U3273.C11 v1(189.08,93.25) ; v1(51.6,58.97) J2034.B7 v1(51.6,55.9) ; U1.BT11 v1(98.75,193.05) ; U1.G25 v1(112.75,243.05) ; v1(112.4,124.46) 112.6,124.67 J1104.A66 112.6,126.74 v1(112.17,127.18) ; U1.C44 v1(132.75,247.05) ; U1.AL9 v1(96.75,218.05) ; U3273.AC19 v1(181.89,110.03) ; U3235.AB3 v1(139.66,90.61) ; U1.W5 v1(92.75,231.05) ; U1.B54 v1(142.75,248.05) ; U1.AH3 v1(90.75,221.05) ; v1(140.75,247.05) U1.C52 v1(140.75,246.05) ; v1(113.8,124.46) 113.6,124.67 J1104.A67 113.6,126.74 v1(114.03,127.18) ; U1.AT10 v1(97.75,213.05) ; v1(88.8,124.46) 88.6,124.67 J1104.A42 88.6,126.74 v1(89.03,127.18) ; U1.AF49 v1(137.75,223.05) U1.AG49 ; v1(64.6,117.26) J1104.B18 v1(64.6,119.98) ; U1.AY47 v1(135.75,209.05) ; v1(27.43,188.42) 27.53,188.52 U3279.2 ; U1.BB49 v1(137.75,207.05) ; U1.AN44 v1(132.75,216.05) ; U3235.T23 v1(144.46,74.61) ; U3273.M14 v1(185.89,101.23) ; U1.BC46 v1(134.75,206.05) ; U3235.K17 v1(150.06,78.61) ; v1(67.4,119.98) 67.6,119.77 J1104.B21 67.6,117.47 v1(67.4,117.26) ; U1.AP47 v1(135.75,215.05) ; U1.BP54 v1(142.75,195.05) ; U3235.R25 v1(145.26,72.21) U3235.T25 ; U3235.M23 v1(147.66,74.61) ; C7.2 v1(183.34,235.92) ; U1.AM51 v1(139.75,217.05) ; U1.AW53 v1(141.75,210.05) ; U1.BK54 v1(142.75,199.05) ; U1.J11 v1(98.75,241.05) ; U1.AE13 v1(100.75,225.05) ; U1.AF50 v1(138.75,223.05) ; U1.G15 v1(102.75,243.05) U1.G14 ; U1.AD3 v1(90.75,225.05) ; C30.2 v1(174.7,225.45) ; v1(66.6,124.46) J1104.A20 66.6,126.74 v1(67.03,127.18) ; U1.BN11 v1(98.75,196.05) ; U1.R49 v1(137.75,235.05) ; v1(51.6,117.26) J1104.B7 v1(51.6,119.98) ; U1.AN5 v1(92.75,216.05) ; U3235.C1 v1(155.66,92.21) ; U1.K2 v1(89.75,240.05) ; U3235.E2 v1(154.06,91.41) ; U1.G12 v1(100.75,243.05) ; U1.BE3 v1(90.75,204.05) ; U1.AT47 v1(135.75,213.05) ; U1.Y12 v1(99.75,230.05) ; U1.AK9 v1(96.75,219.05) ; v1(92.75,247.05) U1.C5 v1(92.75,246.05) ; U1.AP50 v1(138.75,215.05) ; U1.E3 v1(90.75,245.05) U1.D2 ; U1.V14 v1(101.75,232.05) ; U1.AY49 v1(137.75,209.05) ; U1.AG8 v1(95.75,223.05) U1.AF8 ; U3273.K15 v1(185.09,98.85) ; U1.P6 v1(93.75,236.05) ; U3273.K14 v1(185.89,98.85) ; v1(77.17,86.54) 77.6,86.1 J2046.A31 v1(77.6,83.82) ; U1.AD5 v1(92.75,225.05) ; U1.AY10 v1(97.75,209.05) ; U1.G51 v1(139.75,243.05) ; U1.U15 v1(102.75,233.05) ; v1(139.75,229.05) U1.Y51 v1(139.75,230.05) ; U1.AC46 v1(134.75,227.05) ; U1.AN3 v1(90.75,216.05) ; v1(135.75,244.05) U1.F47 v1(134.75,244.05) ; U1.BM51 v1(139.75,197.05) ; U1.AL42 U1.AM43 v1(131.75,217.05) ; U1.AJ13 v1(100.75,220.05) ; U1.BC13 v1(100.75,206.05) ; U1.AU1 v1(88.75,212.05) ; U1.AA48 v1(136.75,229.05) ; v1(123.8,119.98) 123.6,119.77 J1104.B77 123.6,117.47 v1(123.8,117.26) ; v1(78.6,119.98) J1104.B32 v1(78.6,117.26) ; U1.H52 v1(140.75,242.05) ; U1.C4 v1(91.75,247.05) ; U1.AR44 v1(132.75,214.05) ; U3235.U24 v1(144.46,73.81) ; U1.V12 v1(99.75,232.05) ; v1(78.6,58.97) J2034.B32 v1(78.6,55.9) ; U3273.C7 v1(192.28,93.25) ; U3273.T21 v1(180.29,104.43) ; U3235.R15 v1(145.26,80.21) ; U1.C8 v1(95.75,247.05) U1.C7 ; U1.AV56 v1(144.75,211.05) ; v1(64.6,35.58) J2036.B18 v1(64.6,38.65) ; U3235.M10 v1(148.46,85.01) ; U1.W44 v1(132.75,231.05) ; v1(95.17,127.18) 95.6,126.74 J1104.A49 95.6,124.67 v1(95.4,124.46) ; v1(59.6,35.58) J2036.B13 v1(59.6,38.65) ; v1(128.4,124.46) 128.6,124.67 J1104.A82 128.6,126.74 v1(128.17,127.18) ; U3235.C17 v1(154.86,78.61) U3235.C18 ; v1(71.6,55.9) J2034.B25 v1(71.6,58.97) ; U1.AR51 v1(139.75,214.05) ; v1(98.03,127.18) 97.6,126.74 J1104.A51 97.6,124.67 v1(97.8,124.46) ; v1(114.4,117.26) 114.6,117.47 J1104.B68 114.6,119.77 v1(114.4,119.98) ; U3235.AC16 v1(139.66,79.41) ; U3273.B20 v1(181.09,92.45) ; v1(59.6,76.62) J2046.B13 v1(59.6,79.34) ; U1.Y48 v1(136.75,230.05) ; 129.83,249.4 v1(130.25,248.98) U1.A42 ; U1.BK9 v1(96.75,199.05) ; v1(115.8,119.98) 115.6,119.77 J1104.B69 115.6,117.47 v1(115.8,117.26) ; U3235.AF8 v1(136.47,86.61) ; U1.AN7 v1(94.75,216.05) ; U1.BM4 v1(91.75,197.05) ; C1536.2 v1(44.83,221.54) ; U3273.AB16 v1(184.29,109.23) ; U1.BN3 v1(90.75,196.05) ; v1(69.4,83.82) 69.6,84.03 J2046.A23 69.6,86.1 v1(69.17,86.54) ; U3273.T12 v1(187.49,104.43) ; R131.1 v1(188.54,279.53) ; U3273.M8 v1(191.48,101.23) ; U3235.W23 v1(142.06,74.61) ; C62.2 C63.2 ; C63.2 v1(58.17,155.83) ; C63.2 v1(59.39,155.83) ; U3273.B14 v1(185.89,92.45) ; J14.5 231.85,109.86 ; U1.BM47 v1(135.75,197.05) ; v1(141.75,249.05) U1.A53 v1(140.75,248.05) ; U1.C3 v1(90.75,247.05) ; U1.A44 v1(132.25,248.98) ; v1(73.17,107.26) 73.6,106.82 J2033.A27 v1(73.6,104.19) ; U1.H5 v1(92.75,242.05) ; v1(64.17,127.18) 64.6,126.74 J1104.A18 v1(64.6,124.46) ; U3235.AC26 v1(139.66,71.41) ; U1.BG56 v1(144.75,202.05) ; v1(81.4,79.34) 81.6,79.13 J2046.B35 81.6,76.83 v1(81.4,76.62) ; U1.G16 v1(103.75,243.05) U1.F15 ; U1.A56 v1(144.68,248.55) ; v1(107.26,261.54) X2.2 v1(108.24,260.48) ; U1.AV45 v1(133.75,211.05) ; U3273.M9 v1(190.68,101.23) ; U1.W56 v1(144.68,230.55) ; U1.N42 v1(130.75,237.05) ; v1(222.3,77.5) R12556.2 ; U1.Y14 v1(101.75,230.05) ; U1.E32 v1(120.75,245.05) ; v1(58.6,43.23) J2036.A12 v1(58.6,46.3) ; U1.AB43 v1(131.75,228.05) ; U1.K8 v1(95.75,240.05) ; U3235.M9 v1(148.46,85.81) ; v1(73.6,63.55) J2034.A27 v1(73.6,66.62) ; U3235.AB21 v1(140.46,75.41) ; C36.2 v1(175.51,220.93) ; U1.BT46 v1(134.75,193.05) ; U1.AU13 v1(100.75,212.05) ; U1.BH54 v1(142.75,201.05) ; U1.BT51 v1(139.75,193.05) ; U1.V8 v1(95.75,232.05) ; U3273.AB7 v1(192.28,109.23) ; U1.BL3 v1(90.75,198.05) ; U1.AD43 v1(131.75,226.05) ; U1.AF43 v1(131.75,224.05) ; U1.AL46 v1(134.75,218.05) ; U1.AU9 v1(96.75,212.05) ; U3273.M12 v1(187.49,101.23) ; U1.BH47 v1(135.75,201.05) ; U1.BJ48 v1(136.75,200.05) ; U1.BK3 v1(90.75,199.05) ; U3235.J24 v1(150.86,73.81) ; U1.AJ49 v1(137.75,220.05) ; U1.BA44 v1(132.75,208.05) ; C3153.2 v1(188.82,225.65) ; U1.AW15 v1(102.75,210.05) ; C12.2 v1(183.34,207.09) ; U1.AJ44 v1(132.75,220.05) ; U1.BL7 v1(94.75,198.05) ; U3273.W15 v1(185.09,106.83) ; U3235.T2 v1(144.46,91.41) U3235.U2 ; U1.D48 v1(135.75,245.05) ; v1(95.75,229.05) U1.Y8 v1(95.75,230.05) ; U1.BJ9 v1(96.75,200.05) ; v1(66.6,63.55) J2034.A20 66.6,66.18 v1(67.03,66.62) ; U1.AF7 v1(94.75,223.05) ; U1.BR53 v1(141.75,194.05) ; 103.67,249.4 v1(103.25,248.98) U1.A15 ; U1.AG15 U1.AH16 v1(105.14,220.69) ; U1.AK45 v1(133.75,219.05) ; U3235.P1 v1(146.06,92.21) U3235.R1 ; v1(64.6,104.19) J2033.A18 64.6,106.82 v1(64.17,107.26) ; U1.G6 v1(93.75,243.05) ; v1(140.75,229.05) U1.Y53 v1(141.75,229.05) ; U1.AE53 v1(141.75,224.05) ; U1.AG9 v1(96.75,223.05) ; C73.2 v1(58.17,235.92) ; U3235.AD22 v1(138.86,75.41) ; U1.L44 v1(132.75,239.05) ; v1(71.4,117.26) 71.6,117.47 J1104.B25 71.6,119.77 v1(71.4,119.98) ; U3273.L15 v1(185.09,99.64) ; U1.AH47 v1(135.75,222.05) ; U1.BG53 v1(141.75,202.05) ; v1(48.6,119.98) J1104.B4 v1(48.6,117.26) ; U1.BL47 v1(135.75,198.05) ; C72.2 v1(59.39,233.38) ; U1.AG53 v1(141.75,222.05) ; v1(62.03,127.18) 61.6,126.74 J1104.A15 v1(61.6,124.46) ; U1.AA16 v1(103.75,229.05) U1.AA15 ; v1(86.8,119.98) 86.6,119.77 J1104.B40 86.6,117.47 v1(86.8,117.26) ; v1(103.8,119.98) 103.6,119.77 J1104.B57 103.6,117.47 v1(103.8,117.26) ; U1.AT12 v1(99.75,213.05) ; U1.AA3 v1(90.75,229.05) ; v1(102.4,117.26) 102.6,117.47 J1104.B56 102.6,119.77 v1(102.4,119.98) ; U1.Y45 v1(133.75,230.05) ; U1.D14 v1(102.75,246.05) U1.D15 ; U1.BK8 v1(95.75,199.05) ; v1(72.8,96.54) 72.6,96.75 J2033.B26 72.6,99.4 v1(72.8,99.61) ; U1.AG11 v1(98.75,223.05) ; U1.BD8 v1(95.75,205.05) ; U1.AH10 v1(97.75,222.05) ; C44.2 v1(49.99,152.93) ; U3235.AC23 v1(139.66,73.81) ; U1.BB10 v1(97.75,207.05) ; C6249.2 v1(31.01,188.39) ; U1.Y9 v1(96.75,230.05) ; v1(27.43,179.83) 27.53,179.93 U3280.2 ; U1.B3 v1(90.75,248.05) ; U1.D42 v1(130.75,246.05) U1.D43 ; U1.BB12 v1(99.75,207.05) ; U1.AF47 v1(135.75,224.05) ; U1.N48 v1(136.75,237.05) ; U1.AY2 v1(89.75,209.05) ; U1.U6 v1(93.75,233.05) ; J4.154 65.41,276.73 ; U1.BT6 v1(93.75,193.05) ; v1(75.6,79.34) J2046.B29 v1(75.6,76.62) ; U1.C36 v1(124.75,247.05) ; U3273.A4 v1(194.68,91.64) ; v1(83.4,124.46) 83.6,124.67 J1104.A37 83.6,126.74 v1(83.17,127.18) ; U1.AV1 v1(88.75,211.05) ; U3235.N13 v1(147.66,82.61) ; v1(95.6,79.34) J2046.B49 v1(95.6,76.62) ; U1.K45 v1(133.75,240.05) ; U1.AF56 v1(144.75,223.05) ; C1424.2 v1(194.21,222.4) ; U3235.C5 v1(155.66,88.21) ; U3235.P14 v1(146.06,81.01) ; U1.AR9 v1(96.75,214.05) ; U1.M1 v1(88.75,238.05) ; U1.T47 v1(135.75,234.05) ; U3235.R10 v1(145.26,85.01) ; v1(64.17,46.3) 64.6,45.86 J2036.A18 ; U3235.N24 v1(147.66,73.81) ; U1.AH52 v1(140.75,221.05) ; U1.N9 v1(96.75,237.05) ; U3235.AB17 v1(140.46,78.61) ; U1.AR15 v1(102.75,214.05) ; J1.57 175.97,236.77 ; U3235.AF26 v1(136.46,71.41) ; U1.BM9 v1(96.75,197.05) ; U1.E6 v1(93.75,245.05) ; U1.BC44 v1(132.75,206.05) ; U1.W15 v1(102.75,231.05) ; U1.AE16 v1(103.75,225.05) U1.AE15 ; U1.A8 v1(96.25,248.98) ; v1(89.4,76.62) 89.6,76.83 J2046.B43 89.6,79.13 v1(89.4,79.34) ; U3273.B1 v1(197.08,92.45) ; v1(67.6,55.9) J2034.B21 v1(67.6,58.97) ; U1.AE48 v1(136.75,225.05) ; U3235.M17 v1(148.46,78.61) ; v1(111.8,119.98) 111.6,119.77 J1104.B65 111.6,117.47 v1(111.8,117.26) ; U1.H15 v1(102.75,241.05) U1.J15 ; v1(99.8,117.26) 99.6,117.47 